# KiCad board poly_kb_wave_right.kicad_pcb (continued)
## Placement (name value [footprint] x y rotation side) (continued)
JP34  Bypass1  [SolderJumper-3_P1.3mm_Bridged12_RoundedPad1.0x1.5mm]  59.2 121.35 180 bottom
JP35  Bypass1  [SolderJumper-3_P1.3mm_Bridged12_RoundedPad1.0x1.5mm]  65.2 121.39 180 bottom
JP36  Bypass1  [SolderJumper-3_P1.3mm_Bridged12_RoundedPad1.0x1.5mm]  40.9 123.81 180 bottom
JP37  Bypass1  [SolderJumper-3_P1.3mm_Bridged12_RoundedPad1.0x1.5mm]  46.9 123.81 180 bottom
JP38  Bypass1  [SolderJumper-3_P1.3mm_Bridged12_RoundedPad1.0x1.5mm]  59.22 124.5 180 bottom
JP39  Bypass1  [SolderJumper-3_P1.3mm_Bridged12_RoundedPad1.0x1.5mm]  65.19 124.5 180 bottom
JP40  Bypass1  [SolderJumper-3_P1.3mm_Bridged12_RoundedPad1.0x1.5mm]  98.2 125 180 bottom
JP41  Bypass1  [SolderJumper-3_P1.3mm_Bridged12_RoundedPad1.0x1.5mm]  104.2 125 180 bottom
JP42  Bypass1  [SolderJumper-3_P1.3mm_Bridged12_RoundedPad1.0x1.5mm]  117 123.81 180 bottom
JP43  Bypass1  [SolderJumper-3_P1.3mm_Bridged12_RoundedPad1.0x1.5mm]  123 123.81 180 bottom
JP44  Bypass1  [SolderJumper-3_P1.3mm_Bridged12_RoundedPad1.0x1.5mm]  135.9 121.2 180 bottom
JP45  Bypass1  [SolderJumper-3_P1.3mm_Bridged12_RoundedPad1.0x1.5mm]  141.9 121.19 180 bottom
JP46  Bypass1  [SolderJumper-3_P1.3mm_Bridged12_RoundedPad1.0x1.5mm]  159.8 120.81 180 bottom
JP47  Bypass1  [SolderJumper-3_P1.3mm_Bridged12_RoundedPad1.0x1.5mm]  165.8 120.76 180 bottom
kibuzzard-639C2A4A  G***  [kibuzzard-639C2A4A]  41.95 12.99 270 bottom
kibuzzard-639C2A44  G***  [kibuzzard-639C2A44]  44.36 13.5 270 bottom
kibuzzard-639C2A60  G***  [kibuzzard-639C2A60]  46.77 13.88 270 bottom
kibuzzard-639C2A93  G***  [kibuzzard-639C2A93]  49.19 14.26 270 bottom
kibuzzard-639C2D5C  G***  [kibuzzard-639C2D5C]  22.64 65.31 180 bottom
kibuzzard-639C2D8F  G***  [kibuzzard-639C2D8F]  3.21 61.38 180 bottom
kibuzzard-639C2D8F#2  G***  [kibuzzard-639C2D8F]  33.82 63.92 180 bottom
kibuzzard-639C2D09  G***  [kibuzzard-639C2D09]  21.12 67.6 180 bottom
kibuzzard-639C2D09#2  G***  [kibuzzard-639C2D09]  23.79 60.49 180 bottom
kibuzzard-639C2D25  G***  [kibuzzard-639C2D25]  22.9 63.03 180 bottom
kibuzzard-639C2D80  G***  [kibuzzard-639C2D80]  34.71 61.5 180 bottom
kibuzzard-639C2D80#2  G***  [kibuzzard-639C2D80]  3.34 58.84 180 bottom
kibuzzard-639C2DA1  G***  [kibuzzard-639C2DA1]  3.09 63.92 180 bottom
kibuzzard-639C2DA1#2  G***  [kibuzzard-639C2DA1]  32.81 66.33 180 bottom
kibuzzard-639C2DB9  G***  [kibuzzard-639C2DB9]  31.15 71.41 180 bottom
kibuzzard-639C2DCB  G***  [kibuzzard-639C2DCB]  31.79 68.74 180 bottom
kibuzzard-639C2E0D  G***  [kibuzzard-639C2E0D]  9.56 59.47 270 bottom
kibuzzard-639C2E0D#2  G***  [kibuzzard-639C2E0D]  29.63 55.79 270 bottom
kibuzzard-639C2E3A  G***  [kibuzzard-639C2E3A]  27.85 55.79 270 bottom
kibuzzard-639C2E3A#2  G***  [kibuzzard-639C2E3A]  11.6 55.54 270 bottom
kibuzzard-639C28BB  G***  [kibuzzard-639C28BB]  26.58 121.19 255 bottom
kibuzzard-639C28BB#2  G***  [kibuzzard-639C28BB]  29.76 8.29 270 bottom
kibuzzard-639C28CF  G***  [kibuzzard-639C28CF]  24.04 121.07 255 bottom
kibuzzard-639C29A7  G***  [kibuzzard-639C29A7]  34.71 9.94 270 bottom
kibuzzard-639C29B6  G***  [kibuzzard-639C29B6]  37.12 10.32 270 bottom
kibuzzard-639C29C6  G***  [kibuzzard-639C29C6]  39.54 12.23 270 bottom
kibuzzard-639C34AE  G***  [kibuzzard-639C34AE]  31.92 16.29 180 bottom
kibuzzard-639C34D4  G***  [kibuzzard-639C34D4]  47.79 105.32 180 bottom
kibuzzard-639C34FD  G***  [kibuzzard-639C34FD]  66.97 105.07 180 bottom
kibuzzard-639C35A2  G***  [kibuzzard-639C35A2]  48.05 67.09 180 bottom
kibuzzard-639C35AF  G***  [kibuzzard-639C35AF]  66.84 66.97 180 bottom
kibuzzard-639C35B8  G***  [kibuzzard-639C35B8]  86.27 69.25 180 bottom
kibuzzard-639C35C3  G***  [kibuzzard-639C35C3]  105.19 71.79 180 bottom
kibuzzard-639C35CB  G***  [kibuzzard-639C35CB]  124.37 69.38 180 bottom
kibuzzard-639C35DA  G***  [kibuzzard-639C35DA]  135.93 66.84 180 bottom
kibuzzard-639C35E7  G***  [kibuzzard-639C35E7]  167.3 67.09 180 bottom
kibuzzard-639C35FE  G***  [kibuzzard-639C35FE]  24.04 36.99 180 bottom
kibuzzard-639C36A9  G***  [kibuzzard-639C36A9]  143.8 28.87 180 bottom
kibuzzard-639C36B3  G***  [kibuzzard-639C36B3]  162.85 28.99 180 bottom
kibuzzard-639C39A5  G***  [kibuzzard-639C39A5]  55.41 12.99 195 bottom
kibuzzard-639C39ED  G***  [kibuzzard-639C39ED]  43.85 18.96 195 bottom
kibuzzard-639C294B  G***  [kibuzzard-639C294B]  29.12 121.32 255 bottom
kibuzzard-639C352E  G***  [kibuzzard-639C352E]  142.79 105.19 180 bottom
kibuzzard-639C353A  G***  [kibuzzard-639C353A]  166.79 105.07 180 bottom
kibuzzard-639C355D  G***  [kibuzzard-639C355D]  86.02 88.56 180 bottom
kibuzzard-639C357F  G***  [kibuzzard-639C357F]  124.25 88.43 180 bottom
kibuzzard-639C358A  G***  [kibuzzard-639C358A]  142.91 86.14 180 bottom
kibuzzard-639C360B  G***  [kibuzzard-639C360B]  47.41 43.47 180 bottom
kibuzzard-639C361C  G***  [kibuzzard-639C361C]  67.09 48.04 180 bottom
kibuzzard-639C362D  G***  [kibuzzard-639C362D]  105.19 52.61 180 bottom
kibuzzard-639C368F  G***  [kibuzzard-639C368F]  105.32 33.56 180 bottom
kibuzzard-639C369E  G***  [kibuzzard-639C369E]  124.5 31.28 180 bottom
kibuzzard-639C2997  G***  [kibuzzard-639C2997]  32.17 9.31 270 bottom
kibuzzard-639C3508  G***  [kibuzzard-639C3508]  86.02 107.48 180 bottom
kibuzzard-639C3514  G***  [kibuzzard-639C3514]  104.81 109.89 180 bottom
kibuzzard-639C3522  G***  [kibuzzard-639C3522]  123.86 107.48 180 bottom
kibuzzard-639C3548  G***  [kibuzzard-639C3548]  47.92 86.14 180 bottom
kibuzzard-639C3550  G***  [kibuzzard-639C3550]  66.97 86.02 180 bottom
kibuzzard-639C3575  G***  [kibuzzard-639C3575]  105.19 90.72 180 bottom
kibuzzard-639C3594  G***  [kibuzzard-639C3594]  166.92 86.14 180 bottom
kibuzzard-639C3625  G***  [kibuzzard-639C3625]  86.02 50.46 180 bottom
kibuzzard-639C3638  G***  [kibuzzard-639C3638]  124.37 50.46 180 bottom
kibuzzard-639C3642  G***  [kibuzzard-639C3642]  135.68 47.92 180 bottom
kibuzzard-639C3653  G***  [kibuzzard-639C3653]  167.04 48.04 180 bottom
kibuzzard-639C3683  G***  [kibuzzard-639C3683]  75.35 24.55 180 bottom
kibuzzard-639C3695  G***  [kibuzzard-639C3695]  53.12 21.63 180 bottom
L1  4.7uH  [MCS0530-4R7MN2]  5.85 96.35 180 bottom
L2  4.7uH  [MCS0530-4R7MN2]  6.1 114.31 270 bottom
LED1  -  [WS2812B-Mini]  43.85 116.43 0 top
LED2  -  [WS2812B-Mini]  62.9 116.43 0 top
LED3  -  [WS2812B-Mini]  81.95 118.81 0 top
LED4  -  [WS2812B-Mini]  101 121.19 0 top
LED5  -  [WS2812B-Mini]  120.05 118.81 0 top
LED6  -  [WS2812B-Mini]  139.1 116.43 0 top
LED7  -  [WS2812B-Mini]  162.92 116.43 0 top
LED8  -  [WS2812B-Mini]  43.85 97.38 0 top
LED9  -  [WS2812B-Mini]  62.9 97.38 0 top
LED10  -  [WS2812B-Mini]  81.95 99.76 0 top
LED11  -  [WS2812B-Mini]  101 102.14 0 top
LED12  -  [WS2812B-Mini]  120.05 99.76 0 top
LED13  -  [WS2812B-Mini]  139.1 97.38 0 top
LED14  -  [WS2812B-Mini]  162.92 97.38 0 top
LED15  -  [WS2812B-Mini]  43.85 78.33 0 top
LED16  -  [WS2812B-Mini]  62.9 78.33 0 top
LED17  -  [WS2812B-Mini]  81.95 80.71 0 top
LED18  -  [WS2812B-Mini]  101 83.09 0 top
LED19  -  [WS2812B-Mini]  120.05 80.71 0 top
LED20  -  [WS2812B-Mini]  139.1 78.33 0 top
LED21  -  [WS2812B-Mini]  162.92 78.33 0 top
LED22  -  [WS2812B-Mini]  40.45 53.37 13.5 top
LED23  -  [WS2812B-Mini]  62.9 59.28 0 top
LED24  -  [WS2812B-Mini]  81.95 61.66 0 top
LED25  -  [WS2812B-Mini]  101 64.05 0 top
LED26  -  [WS2812B-Mini]  120.05 61.66 0 top
LED27  -  [WS2812B-Mini]  139.1 59.28 0 top
LED28  -  [WS2812B-Mini]  162.92 59.28 0 top
LED29  -  [WS2812B-Mini]  16.03 46.07 20 top
LED30  -  [WS2812B-Mini]  24.14 25.41 20 top
LED31  -  [WS2812B-Mini]  46.12 31.66 13.5 top
LED32  -  [WS2812B-Mini]  69.91 35.36 5 top
LED33  -  [WS2812B-Mini]  101 44.99 0 top
LED34  -  [WS2812B-Mini]  120.05 42.61 0 top
LED35  -  [WS2812B-Mini]  139.1 40.23 0 top
LED36  -  [WS2812B-Mini]  158.15 40.23 0 top
R1  22 0603  [R_0603_1608Metric]  30.05 110.1 90 top
R1_1  10k 0402  [R_0402_1005Metric]  37.25 114.67 0 bottom
R1_2  10k 0402  [R_0402_1005Metric]  56.3 114.67 0 bottom
R1_3  10k 0402  [R_0402_1005Metric]  75.35 117.05 0 bottom
R1_4  10k 0402  [R_0402_1005Metric]  94.4 119.44 0 bottom
R1_5  10k 0402  [R_0402_1005Metric]  113.45 117.05 0 bottom
R1_6  10k 0402  [R_0402_1005Metric]  132.5 114.67 0 bottom
R1_7  10k 0402  [R_0402_1005Metric]  156.31 114.67 0 bottom
R1_8  10k 0402  [R_0402_1005Metric]  37.25 95.62 0 bottom
R1_9  10k 0402  [R_0402_1005Metric]  56.3 95.62 0 bottom
R1_10  10k 0402  [R_0402_1005Metric]  75.35 98 0 bottom
R1_11  10k 0402  [R_0402_1005Metric]  94.4 100.39 0 bottom
R1_12  10k 0402  [R_0402_1005Metric]  113.45 98 0 bottom
R1_13  10k 0402  [R_0402_1005Metric]  132.5 95.62 0 bottom
R1_14  10k 0402  [R_0402_1005Metric]  156.31 95.62 0 bottom
R1_15  10k 0402  [R_0402_1005Metric]  37.25 76.57 0 bottom
R1_16  10k 0402  [R_0402_1005Metric]  56.3 76.57 0 bottom
R1_17  10k 0402  [R_0402_1005Metric]  75.35 78.95 0 bottom
R1_18  10k 0402  [R_0402_1005Metric]  94.4 81.34 0 bottom
R1_19  10k 0402  [R_0402_1005Metric]  113.45 78.95 0 bottom
R1_20  10k 0402  [R_0402_1005Metric]  132.5 76.57 0 bottom
R1_21  10k 0402  [R_0402_1005Metric]  156.31 76.57 0 bottom
R1_22  10k 0402  [R_0402_1005Metric]  34.43 50.12 13.5 bottom
R1_23  10k 0402  [R_0402_1005Metric]  56.3 57.52 0 bottom
R1_24  10k 0402  [R_0402_1005Metric]  75.35 59.9 0 bottom
R1_25  10k 0402  [R_0402_1005Metric]  94.4 62.29 0 bottom
R1_26  10k 0402  [R_0402_1005Metric]  113.45 59.9 0 bottom
R1_27  10k 0402  [R_0402_1005Metric]  132.5 57.52 0 bottom
R1_28  10k 0402  [R_0402_1005Metric]  156.31 57.52 0 bottom
R1_29  10k 0402  [R_0402_1005Metric]  10.43 42.15 20 bottom
R1_30  10k 0402  [R_0402_1005Metric]  18.54 21.5 20 bottom
R1_31  10k 0402  [R_0402_1005Metric]  40.11 28.41 13.5 bottom
R1_32  10k 0402  [R_0402_1005Metric]  63.48 33.03 5 bottom
R1_33  10k 0402  [R_0402_1005Metric]  94.4 43.24 0 bottom
R1_34  10k 0402  [R_0402_1005Metric]  113.45 40.85 0 bottom
R1_35  10k 0402  [R_0402_1005Metric]  132.5 38.47 0 bottom
R1_36  10k 0402  [R_0402_1005Metric]  151.55 38.47 0 bottom
R2  22 0603  [R_0603_1608Metric]  31.65 110.1 90 top
R3  10k 0603  [R_0603_1608Metric]  30.05 116.95 90 top
R4  10k 0603  [R_0603_1608Metric]  31.65 116.95 90 top
R5  1k 0603  [R_0603_1608Metric]  3.83 78.38 90 top
R6  1k 0603  [R_0603_1608Metric]  3.73 88.58 90 top
R7  5.1K 0402  [R_0402_1005Metric]  13.9 121.85 0 top
R8  5.6K 0402  [R_0402_1005Metric]  11.9 108.7 270 bottom
R9  5.1K 0402  [R_0402_1005Metric]  18.6 121.85 180 top
R10  390k 0603  [R_0603_1608Metric]  3.15 105.06 270 top
R11  390k 0603  [R_0603_1608Metric]  4.71 105.01 90 top
R12  150k 0603  [R_0603_1608Metric]  5.65 102.66 180 top
R13  22k 0603  [R_0603_1608Metric]  3.9 101.4 0 bottom
R14  680k 0603  [R_0603_1608Metric]  6.7 110.06 180 top
R15  10K 0402  [R_0402_1005Metric]  12.8 111 90 bottom
R16  1k 0603  [R_0603_1608Metric]  10 113.7 270 top
R17  150k 0603  [R_0603_1608Metric]  3.5 110.06 0 top
R18  220 0402  [R_0402_1005Metric]  10.1 118.66 270 top
R19  1k 0603  [R_0603_1608Metric]  16.24 95.14 90 bottom
R20  10K 0402  [R_0402_1005Metric]  26.8 110.1 270 top
R21  1K 0402  [R_0402_1005Metric]  26.8 107.85 270 top
R22  27 0603  [R_0603_1608Metric]  16.25 110.98 270 bottom
R23  27 0603  [R_0603_1608Metric]  14.75 110.98 270 bottom
R24  5.1K 0402  [R_0402_1005Metric]  24.5 104.91 180 bottom
R25  5.1K 0402  [R_0402_1005Metric]  24.5 105.91 180 bottom
R30  390k 0603 1%  [R_0603_1608Metric]  24.7 95.5 270 top
SW1  RotaryEncoder_Switch  [EVQWGD001_ALPS-EC11_mod]  20.24 62.69 290 top
SW2  EVQPUC02K  [Panasonic_EVQPUL_EVQPUC]  82.3 126.5 180 bottom
SW3  EVQPUC02K  [Panasonic_EVQPUL_EVQPUC]  74.5 126.5 180 bottom
SW_K_1  Kailh CPG151101S11-16  [Kailh_socket_MX_Indicators]  43.85 107.54 0 top
SW_K_2  Kailh CPG151101S11-16  [Kailh_socket_MX_Indicators]  62.9 107.54 0 top
SW_K_3  Kailh CPG151101S11-16  [Kailh_socket_MX_Indicators]  81.95 109.92 0 top
SW_K_4  Kailh CPG151101S11-16  [Kailh_socket_MX_Indicators]  101 112.31 0 top
SW_K_5  Kailh CPG151101S11-16  [Kailh_socket_MX_Indicators]  120.05 109.92 0 top
SW_K_6  Kailh CPG151101S11-16  [Kailh_socket_MX_Indicators]  139.1 107.54 0 top
SW_K_7  Kailh CPG151101S11-16  [Kailh_socket_MX_Indicators]  162.92 107.54 0 top
SW_K_8  Kailh CPG151101S11-16  [Kailh_socket_MX_Indicators]  43.85 88.49 0 top
SW_K_9  Kailh CPG151101S11-16  [Kailh_socket_MX_Indicators]  62.9 88.49 0 top
SW_K_10  Kailh CPG151101S11-16  [Kailh_socket_MX_Indicators]  81.95 90.87 0 top
SW_K_11  Kailh CPG151101S11-16  [Kailh_socket_MX_Indicators]  101 93.25 0 top
SW_K_12  Kailh CPG151101S11-16  [Kailh_socket_MX_Indicators]  120.05 90.87 0 top
SW_K_13  Kailh CPG151101S11-16  [Kailh_socket_MX_Indicators]  139.1 88.49 0 top
SW_K_14  Kailh CPG151101S11-16  [Kailh_socket_MX_Indicators]  162.92 88.49 0 top
SW_K_15  Kailh CPG151101S11-16  [Kailh_socket_MX_Indicators]  43.85 69.44 0 top
SW_K_16  Kailh CPG151101S11-16  [Kailh_socket_MX_Indicators]  62.9 69.44 0 top
SW_K_17  Kailh CPG151101S11-16  [Kailh_socket_MX_Indicators]  81.95 71.82 0 top
SW_K_18  Kailh CPG151101S11-16  [Kailh_socket_MX_Indicators]  101 74.2 0 top
SW_K_19  Kailh CPG151101S11-16  [Kailh_socket_MX_Indicators]  120.05 71.82 0 top
SW_K_20  Kailh CPG151101S11-16  [Kailh_socket_MX_Indicators]  139.1 69.44 0 top
SW_K_21  Kailh CPG151101S11-16  [Kailh_socket_MX_Indicators]  162.92 69.44 0 top
SW_K_22  Kailh CPG151101S11-16  [Kailh_socket_MX_Indicators]  42.52 44.73 13.5 top
SW_K_23  Kailh CPG151101S11-16  [Kailh_socket_MX_Indicators]  62.9 50.39 0 top
SW_K_24  Kailh CPG151101S11-16  [Kailh_socket_MX_Indicators]  81.95 52.77 0 top
SW_K_25  Kailh CPG151101S11-16  [Kailh_socket_MX_Indicators]  101 55.16 0 top
SW_K_26  Kailh CPG151101S11-16  [Kailh_socket_MX_Indicators]  120.05 52.77 0 top
SW_K_27  Kailh CPG151101S11-16  [Kailh_socket_MX_Indicators]  139.1 50.39 0 top
SW_K_28  Kailh CPG151101S11-16  [Kailh_socket_MX_Indicators]  162.92 50.39 0 top
SW_K_29  Kailh CPG151101S11-16  [Kailh_socket_MX_Indicators]  19.08 37.71 20 top
SW_K_30  Kailh CPG151101S11-16  [Kailh_socket_MX_Indicators]  27.19 17.06 20 top
SW_K_31  Kailh CPG151101S11-16  [Kailh_socket_MX_Indicators]  48.19 23.02 13.5 top
SW_K_32  Kailh CPG151101S11-16  [Kailh_socket_MX_Indicators]  70.69 26.5 5 top
SW_K_33  Kailh CPG151101S11-16  [Kailh_socket_MX_Indicators]  101 36.1 0 top
SW_K_34  Kailh CPG151101S11-16  [Kailh_socket_MX_Indicators]  120.05 33.72 0 top
SW_K_35  Kailh CPG151101S11-16  [Kailh_socket_MX_Indicators]  139.1 31.34 0 top
SW_K_36  Kailh CPG151101S11-16  [Kailh_socket_MX_Indicators]  158.15 31.34 0 top
TP1  USB_D-  [TestPoint_Pad_D1.5mm]  13.75 113.73 180 bottom
TP14  USB_D+  [TestPoint_Pad_D1.5mm]  17.28 113.73 180 bottom
U1  TD6811  [TSOT-23-5]  7.05 114.56 180 top
U2  TD6811  [TSOT-23-5]  5.84 99.61 90 top
U3  MT9700  [SOT-23-5]  4.8 104.45 90 bottom
U4  74HCT595  [TSSOP-16_4.4x5mm_P0.65mm]  150.48 104.46 270 bottom
U5  74HCT595  [TSSOP-16_4.4x5mm_P0.65mm]  150.48 87.69 270 bottom
U6  74HCT595  [TSSOP-16_4.4x5mm_P0.65mm]  150.43 65.11 270 bottom
U7  74HCT595  [TSSOP-16_4.4x5mm_P0.65mm]  150.41 48.2 270 bottom
U8  74HCT595  [TSSOP-16_4.4x5mm_P0.65mm]  93.13 24.14 270 bottom
U9  W25Q64JVSSIQ  [SOIC-8_5.275x5.275mm_P1.27mm]  24.9 111.95 90 bottom
U10  RP2040  [RP2040-QFN-56]  16.75 104.28 180 bottom
U30  74AHCT1G125SE-7  [SOT-353_SC-70-5]  55.2 121.55 90 bottom
U31  74AHCT1G125SE-7  [SOT-353_SC-70-5]  69.1 121.55 90 bottom
U32  74AHCT1G125SE-7  [SOT-353_SC-70-5]  36.9 123.2 90 bottom
U33  74AHCT1G125SE-7  [SOT-353_SC-70-5]  50.9 124 90 bottom
U34  74AHCT1G125SE-7  [SOT-353_SC-70-5]  55.2 124.85 90 bottom
U35  74AHCT1G125SE-7  [SOT-353_SC-70-5]  69.1 124.85 90 bottom
U36  74AHCT1G125SE-7  [SOT-353_SC-70-5]  94.3 125.2 90 bottom
U37  74AHCT1G125SE-7  [SOT-353_SC-70-5]  108.1 125.2 90 bottom
U38  74AHCT1G125SE-7  [SOT-353_SC-70-5]  113 123.91 90 bottom
U39  74AHCT1G125SE-7  [SOT-353_SC-70-5]  126.9 123.91 90 bottom
U40  74AHCT1G125SE-7  [SOT-353_SC-70-5]  131.9 121.25 90 bottom
U41  74AHCT1G125SE-7  [SOT-353_SC-70-5]  145.8 121.25 90 bottom
U42  74AHCT1G125SE-7  [SOT-353_SC-70-5]  155.8 120.96 90 bottom
U43  74AHCT1G125SE-7  [SOT-353_SC-70-5]  169.7 119.6 90 bottom
USB1  TYPE-C-31-M-12  [HRO-TYPE-C-31-M-12-Assembly]  16 126.32 0 bottom
USB2  TYPE-C-31-M-12  [HRO-TYPE-C-31-M-12-Assembly]  -0.7 72 90 bottom
Y1  TAXM12M4RFBCCT2T  [Crystal_SMD_3225-4Pin_3.2x2.5mm]  19.2 94.91 0 bottom

## Library data of the parts
C1 C2 = -: MPN: C1634
C1_1-C1_36 = -: MPN: C99227
C2_1-C2_36 = -: MPN: C23630
C3 C8 = -: MPN: C1557
C3_1-C3_36 C5_1-C5_36 C6_1-C6_36 C24 C25 C30-C32 = -: MPN: C52923
C4 C6 C10 C12-C14 C26 = -: MPN: C15850
C4_1-C4_36 C33 C34 = -: MPN: C129569
C5 C11 = -: MPN: C1653
C7 C9 C15-C23 = -: MPN: C1525
CR1 = -: MPN: C8598
D1 = -: MPN: C84256
D1_1-D1_36 D12 = -: MPN: C2128
D5 = -: MPN: C2297
D6 = -: MPN: C2296
J1-J36 = -: MPN: C324724
J37 = -: MPN: C506793
J43 = -: MPN: C424659
L1 L2 = -: MPN: C2836880
LED1-LED36 = -: MPN: C527089
R1 R2 = -: MPN: C23345
R1_1-R1_36 R15 R20 = -: MPN: C25744
R3 R4 = -: MPN: C25804
R5 R6 R16 R19 = -: MPN: C21190
R7 R9 R24 R25 = -: MPN: C25905
R8 = -: MPN: C25908
R10 R11 R30 = -: MPN: C23150
R12 R17 = -: MPN: C22807
R13 = -: MPN: C31850
R14 = -: MPN: C25822
R18 = -: MPN: C25091
R21 = -: MPN: C11702
R22 R23 = -: MPN: C25190
SW2 SW3 = -: MPN: C79174
SW_K_1-SW_K_36 = -: Etc: C5156480
U1 U2 = -: MPN: C189486
U3 = -: MPN: C89855
U4-U8 = -: MPN: C152276
U9 = -: MPN: C179171
U10 = -: MPN: C2040
U30-U43 = -: MPN: C151417
USB1 USB2 = -: MPN: C165948
Y1 = -: MPN: C133337

## Footprints (pads in the part's own frame, mm; a bottom-side part is the same pattern mirrored in y, then rotated)
C_0402_1005Metric
  rrect 0.56x0.62 smd: 1(-0.48,0) 2(0.48,0)
C_0603_1608Metric
  rrect 0.9x0.95 smd: 1(-0.775,0) 2(0.775,0)
C_0805_2012Metric
  rrect 1x1.45 smd: 1(-0.95,0) 2(0.95,0)
CP_EIA-3216-18_Kemet-A
  rrect 1.4x1.35 smd: 1(-1.35,0) 2(1.35,0)
Crystal_SMD_3225-4Pin_3.2x2.5mm
  rect 1.4x1.2 smd: 1(-1.1,-0.85) 2(1.1,-0.85) 3(1.1,0.85) 4(-1.1,0.85)
D_SOD-123
  rect 0.9x1.2 smd: 1(-1.65,0) 2(1.65,0)
D_SOD-323Ext
  rect 0.8x0.6 smd: 1(-1.05,0) 2(1.05,0)
EVQWGD001_ALPS-EC11_mod
  oval 3x4 smd far side: (-6.725,-2.188)
  round 1.6 hole 1.6 unplated: (-6.21,5.85)
  oval 2x3.2 hole 1.5x2.8 unplated: (4.475,-2.188)
  round 2 hole 1: A(-3.67,5.85) A(3.95,5.85) B(1.41,5.85) C(-1.13,5.85) S1(-3.658,-9.703) S2(1.342,-9.703)
  round 1.524 hole 0.762: S1(6.95,7.5)
  oval 1.524x1.524 hole 0.762: S2(6.95,5.5)
FH34SRJ12S05SH50
  rect 0.3x0.8 smd: 1(2.75,1.525) 2(2.25,1.525) 3(1.75,1.525) 4(1.25,1.525) 5(0.75,1.525) 6(0.25,1.525) 7(-0.25,1.525) 8(-0.75,1.525) 9(-1.25,1.525) 10(-1.75,1.525) 11(-2.25,1.525) 12(-2.75,1.525)
  rect 0.4x0.8 smd: MP1(-3.75,-0.975) MP2(3.75,-0.975)
FH34SRJ14S05SH50
  rect 0.3x0.8 smd: 1(3.25,1.525) 2(2.75,1.525) 3(2.25,1.525) 4(1.75,1.525) 5(1.25,1.525) 6(0.75,1.525) 7(0.25,1.525) 8(-0.25,1.525) 9(-0.75,1.525) 10(-1.25,1.525) 11(-1.75,1.525) 12(-2.25,1.525) 13(-2.75,1.525) 14(-3.25,1.525)
  rect 0.4x0.8 smd: MP1(-4.25,-0.975) MP2(4.25,-0.975)
FH34SRJ14S05SH50#2
  rect 0.3x0.8 smd: 1(3.25,1.525) 2(2.75,1.525) 3(2.25,1.525) 4(1.75,1.525) 5(1.25,1.525) 6(0.75,1.525) 7(0.25,1.525) 8(-0.25,1.525) 9(-0.75,1.525) 10(-1.25,1.525) 11(-1.75,1.525) 12(-2.25,1.525) 13(-2.75,1.525) 14(-3.25,1.525)
  rect 0.4x0.8 smd: MP1(-4.25,-0.975) MP2(4.25,-0.975)
FH34SRJ14S05SH50#3
  rect 0.3x0.8 smd: 1(3.25,1.525) 2(2.75,1.525) 3(2.25,1.525) 4(1.75,1.525) 5(1.25,1.525) 6(0.75,1.525) 7(0.25,1.525) 8(-0.25,1.525) 9(-0.75,1.525) 10(-1.25,1.525) 11(-1.75,1.525) 12(-2.25,1.525) 13(-2.75,1.525) 14(-3.25,1.525)
  rect 0.4x0.8 smd: MP1(-4.25,-0.975) MP2(4.25,-0.975)
Hirose_FH12-30S-0.5SH_1x30-1MP_P0.50mm_Horizontal
  rect 0.3x1.3 smd: 1(-7.25,1.85) 2(-6.75,1.85) 3(-6.25,1.85) 4(-5.75,1.85) 5(-5.25,1.85) 6(-4.75,1.85) 7(-4.25,1.85) 8(-3.75,1.85) 9(-3.25,1.85) 10(-2.75,1.85) 11(-2.25,1.85) 12(-1.75,1.85) 13(-1.25,1.85) 14(-0.75,1.85) 15(-0.25,1.85) 16(0.25,1.85) 17(0.75,1.85) 18(1.25,1.85) 19(1.75,1.85) 20(2.25,1.85) 21(2.75,1.85) 22(3.25,1.85) 23(3.75,1.85) 24(4.25,1.85) 25(4.75,1.85) 26(5.25,1.85) 27(5.75,1.85) 28(6.25,1.85) 29(6.75,1.85) 30(7.25,1.85)
  rect 1.8x2.2 smd: MP(-9.15,-1.4) MP(9.15,-1.4)
HRO-TYPE-C-31-M-12-Assembly
  round 0.65 hole 0.65 unplated: (-2.89,6.25) (2.89,6.25)
  rect 0.6x1.45 smd: 1(-3.225,7.695) 2(-2.45,7.695) 11(2.45,7.695) 12(3.225,7.695)
  rect 0.3x1.45 smd: 3(-1.75,7.695) 4(-1.25,7.695) 5(-0.75,7.695) 6(-0.25,7.695) 7(0.25,7.695) 8(0.75,7.695) 9(1.25,7.695) 10(1.75,7.695)
  oval 1x1.6 hole 0.6x1.2: 13(-4.32,2.6) 13(4.32,2.6)
  oval 1x2.1 hole 0.6x1.7: 13(-4.32,6.78) 13(4.32,6.78)
Kailh_socket_MX_Indicators
  round 1.702 hole 1.702 unplated: (-5.08,0) (5.08,0)
  round 3 hole 3 unplated: (-3.81,2.54) (2.54,5.08)
  round 3.988 hole 3.988 unplated: (0,0)
  rect 2.55x2.5 smd far side: 1(6.29,5.08) 2(-7.56,2.54)
LED_0805_2012Metric
  rrect 0.975x1.4 smd: 1(-0.938,0) 2(0.938,0)
MCS0530-4R7MN2
  rect 1.4x2.5 smd: 1(-2.4,0) 2(2.4,0)
MountingHole_3mm_Pad_Via
  round 0.8 hole 0.5: 1(-2.25,0) 1(-1.591,1.591) 1(-1.591,-1.591) 1(0,2.25) 1(0,-2.25) 1(1.591,1.591) 1(1.591,-1.591) 1(2.25,0)
  round 6 hole 3: 1(0,0)
Panasonic_EVQPUL_EVQPUC
  round 0.75 hole 0.75 unplated: (0,-1.375) (0,1.375)
  rect 1.55x1 smd: 1(-2.625,0.85) 1(2.625,0.85) 2(-2.625,-0.85) 2(2.625,-0.85)
PinHeader_1x03_P2.54mm_Vertical
  rect 1.7x1.7 hole 1: 1(0,0)
  oval 1.7x1.7 hole 1: 2(0,-2.54) 3(0,-5.08)
PinHeader_1x05_P2.54mm_Vertical
  rect 1.7x1.7 hole 1: 1(0,0)
  oval 1.7x1.7 hole 1: 2(0,-2.54) 3(0,-5.08) 4(0,-7.62) 5(0,-10.16)
PinHeader_1x10_P2.54mm_Vertical
  rect 1.7x1.7 hole 1: 1(0,0)
  oval 1.7x1.7 hole 1: 2(0,-2.54) 3(0,-5.08) 4(0,-7.62) 5(0,-10.16) 6(0,-12.7) 7(0,-15.24) 8(0,-17.78) 9(0,-20.32) 10(0,-22.86)
R_0402_1005Metric
  rrect 0.54x0.64 smd: 1(-0.51,0) 2(0.51,0)
R_0603_1608Metric
  rrect 0.8x0.95 smd: 1(-0.825,0) 2(0.825,0)
RP2040-QFN-56
  rrect 1.084x1.084 smd: (-0.637,-0.637) (-0.637,0.637) (0.637,-0.637) (0.637,0.637)
  rrect 0.875x0.2 smd: 1(-3.438,2.6) 2(-3.438,2.2) 3(-3.438,1.8) 4(-3.438,1.4) 5(-3.438,1) 6(-3.438,0.6) 7(-3.438,0.2) 8(-3.438,-0.2) 9(-3.438,-0.6) 10(-3.438,-1) 11(-3.438,-1.4) 12(-3.438,-1.8) 13(-3.438,-2.2) 14(-3.438,-2.6) 29(3.438,-2.6) 30(3.438,-2.2) 31(3.438,-1.8) 32(3.438,-1.4) 33(3.438,-1) 34(3.438,-0.6) 35(3.438,-0.2) 36(3.438,0.2) 37(3.438,0.6) 38(3.438,1) 39(3.438,1.4) 40(3.438,1.8) 41(3.438,2.2) 42(3.438,2.6)
  rrect 0.2x0.875 smd: 15(-2.6,-3.438) 16(-2.2,-3.438) 17(-1.8,-3.438) 18(-1.4,-3.438) 19(-1,-3.438) 20(-0.6,-3.438) 21(-0.2,-3.438) 22(0.2,-3.438) 23(0.6,-3.438) 24(1,-3.438) 25(1.4,-3.438) 26(1.8,-3.438) 27(2.2,-3.438) 28(2.6,-3.438) 43(2.6,3.438) 44(2.2,3.438) 45(1.8,3.438) 46(1.4,3.438) 47(1,3.438) 48(0.6,3.438) 49(0.2,3.438) 50(-0.2,3.438) 51(-0.6,3.438) 52(-1,3.438) 53(-1.4,3.438) 54(-1.8,3.438) 55(-2.2,3.438) 56(-2.6,3.438)
  round 0.6 hole 0.35: 57(-1.275,-1.275) 57(-1.275,0) 57(-1.275,1.275) 57(0,-1.275) 57(0,0) 57(0,1.275) 57(1.275,-1.275) 57(1.275,0) 57(1.275,1.275)
  rrect 3.2x3.2 smd: 57(0,0)
SOIC-8_5.275x5.275mm_P1.27mm
  rrect 1.6x0.6 smd: 1(-3.6,1.905) 2(-3.6,0.635) 3(-3.6,-0.635) 4(-3.6,-1.905) 5(3.6,-1.905) 6(3.6,-0.635) 7(3.6,0.635) 8(3.6,1.905)
SolderJumper-2_P1.3mm_Bridged_RoundedPad1.0x1.5mm
  custom 1x1.5 smd: 1(-0.65,0) 2(0.65,0)
SolderJumper-2_P1.3mm_Open_RoundedPad1.0x1.5mm
  custom 1x1.5 smd: 1(-0.65,0) 2(0.65,0)
SolderJumper-3_P1.3mm_Bridged12_RoundedPad1.0x1.5mm
  custom 1.05x1.5 smd: 1(-1.3,0) 3(1.3,0)
  rect 1x1.5 smd: 2(0,0)
SOT-23-5
  rrect 1.325x0.6 smd: 1(-1.137,0.95) 2(-1.137,0) 3(-1.137,-0.95) 4(1.137,-0.95) 5(1.137,0.95)
SOT-353_SC-70-5
  rect 0.65x0.4 smd: 1(-0.95,0.65) 2(-0.95,0) 3(-0.95,-0.65) 4(0.95,-0.65) 5(0.95,0.65)
TestPoint_Pad_D1.5mm
  round 1.5 smd: 1(0,0)
TSOT-23-5
  rrect 1.325x0.6 smd: 1(-1.137,0.95) 2(-1.137,0) 3(-1.137,-0.95) 4(1.137,-0.95) 5(1.137,0.95)
TSSOP-16_4.4x5mm_P0.65mm
  rrect 1.475x0.4 smd: 1(-2.862,2.275) 2(-2.862,1.625) 3(-2.862,0.975) 4(-2.862,0.325) 5(-2.862,-0.325) 6(-2.862,-0.975) 7(-2.862,-1.625) 8(-2.862,-2.275) 9(2.862,-2.275) 10(2.862,-1.625) 11(2.862,-0.975) 12(2.862,-0.325) 13(2.862,0.325) 14(2.862,0.975) 15(2.862,1.625) 16(2.862,2.275)
WS2812B-Mini
  rect 1.15x0.9 smd: 1(-1.465,0.89) 2(-1.465,-0.89) 3(1.465,-0.89) 4(1.465,0.89)

## Nets
+1V1: C15.1 C16.1 C25.1 U10.23 U10.45 U10.50
/K_1/VCC: C1_2.1 J2.14
/K_2/VCC: C1_3.1 J3.14
/K_3/VCC: C1_4.1 J4.14
/K_4/VCC: C1_5.1 J5.14
/K_5/VCC: C1_6.1 J6.14
/K_A/VCC: C1_16.1 J16.14
/K_B1/VCC: C1_30.1 J30.14
/K_B2/VCC: C1_31.1 J31.14
/K_B3/VCC: C1_32.1 J32.14
/K_B4/VCC: C1_33.1 J33.14
/K_B5/VCC: C1_34.1 J34.14
/K_B6/VCC: C1_35.1 J35.14
/K_B7/VCC: C1_36.1 J36.14
/K_B8/VCC: C1_29.1 J29.14
/K_B/VCC: C1_27.1 J27.14
/K_C/VCC: C1_25.1 J25.14
/K_D/VCC: C1_18.1 J18.14
/K_E/VCC: C1_11.1 J11.14
/K_F/VCC: C1_19.1 J19.14
/K_G/VCC: C1_20.1 J20.14
/K_L1/VCC: C1_1.1 J1.14
/K_L2/VCC: C1_8.1 J8.14
/K_L3/VCC: C1_15.1 J15.14
/K_L4/VCC: C1_22.1 J22.14
/K_L6/VCC: C1_7.1 J7.14
/K_L7/VCC: C1_14.1 J14.14
/K_L8/VCC: C1_21.1 J21.14
/K_L9/VCC: C1_28.1 J28.14
/K_Q/VCC: C1_9.1 J9.14
/K_R/VCC: C1_12.1 J12.14
/K_S/VCC: C1_17.1 J17.14
/K_T/VCC: C1_13.1 J13.14
/K_V/VCC: C1_26.1 J26.14
/K_W/VCC: C1_10.1 J10.14
/K_X/VCC: C1_24.1 J24.14
/K_Z/VCC: C1_23.1 J23.14
